# Altium PCB 202101904XB(公开).PcbDoc (part 4 of 6) (continued)
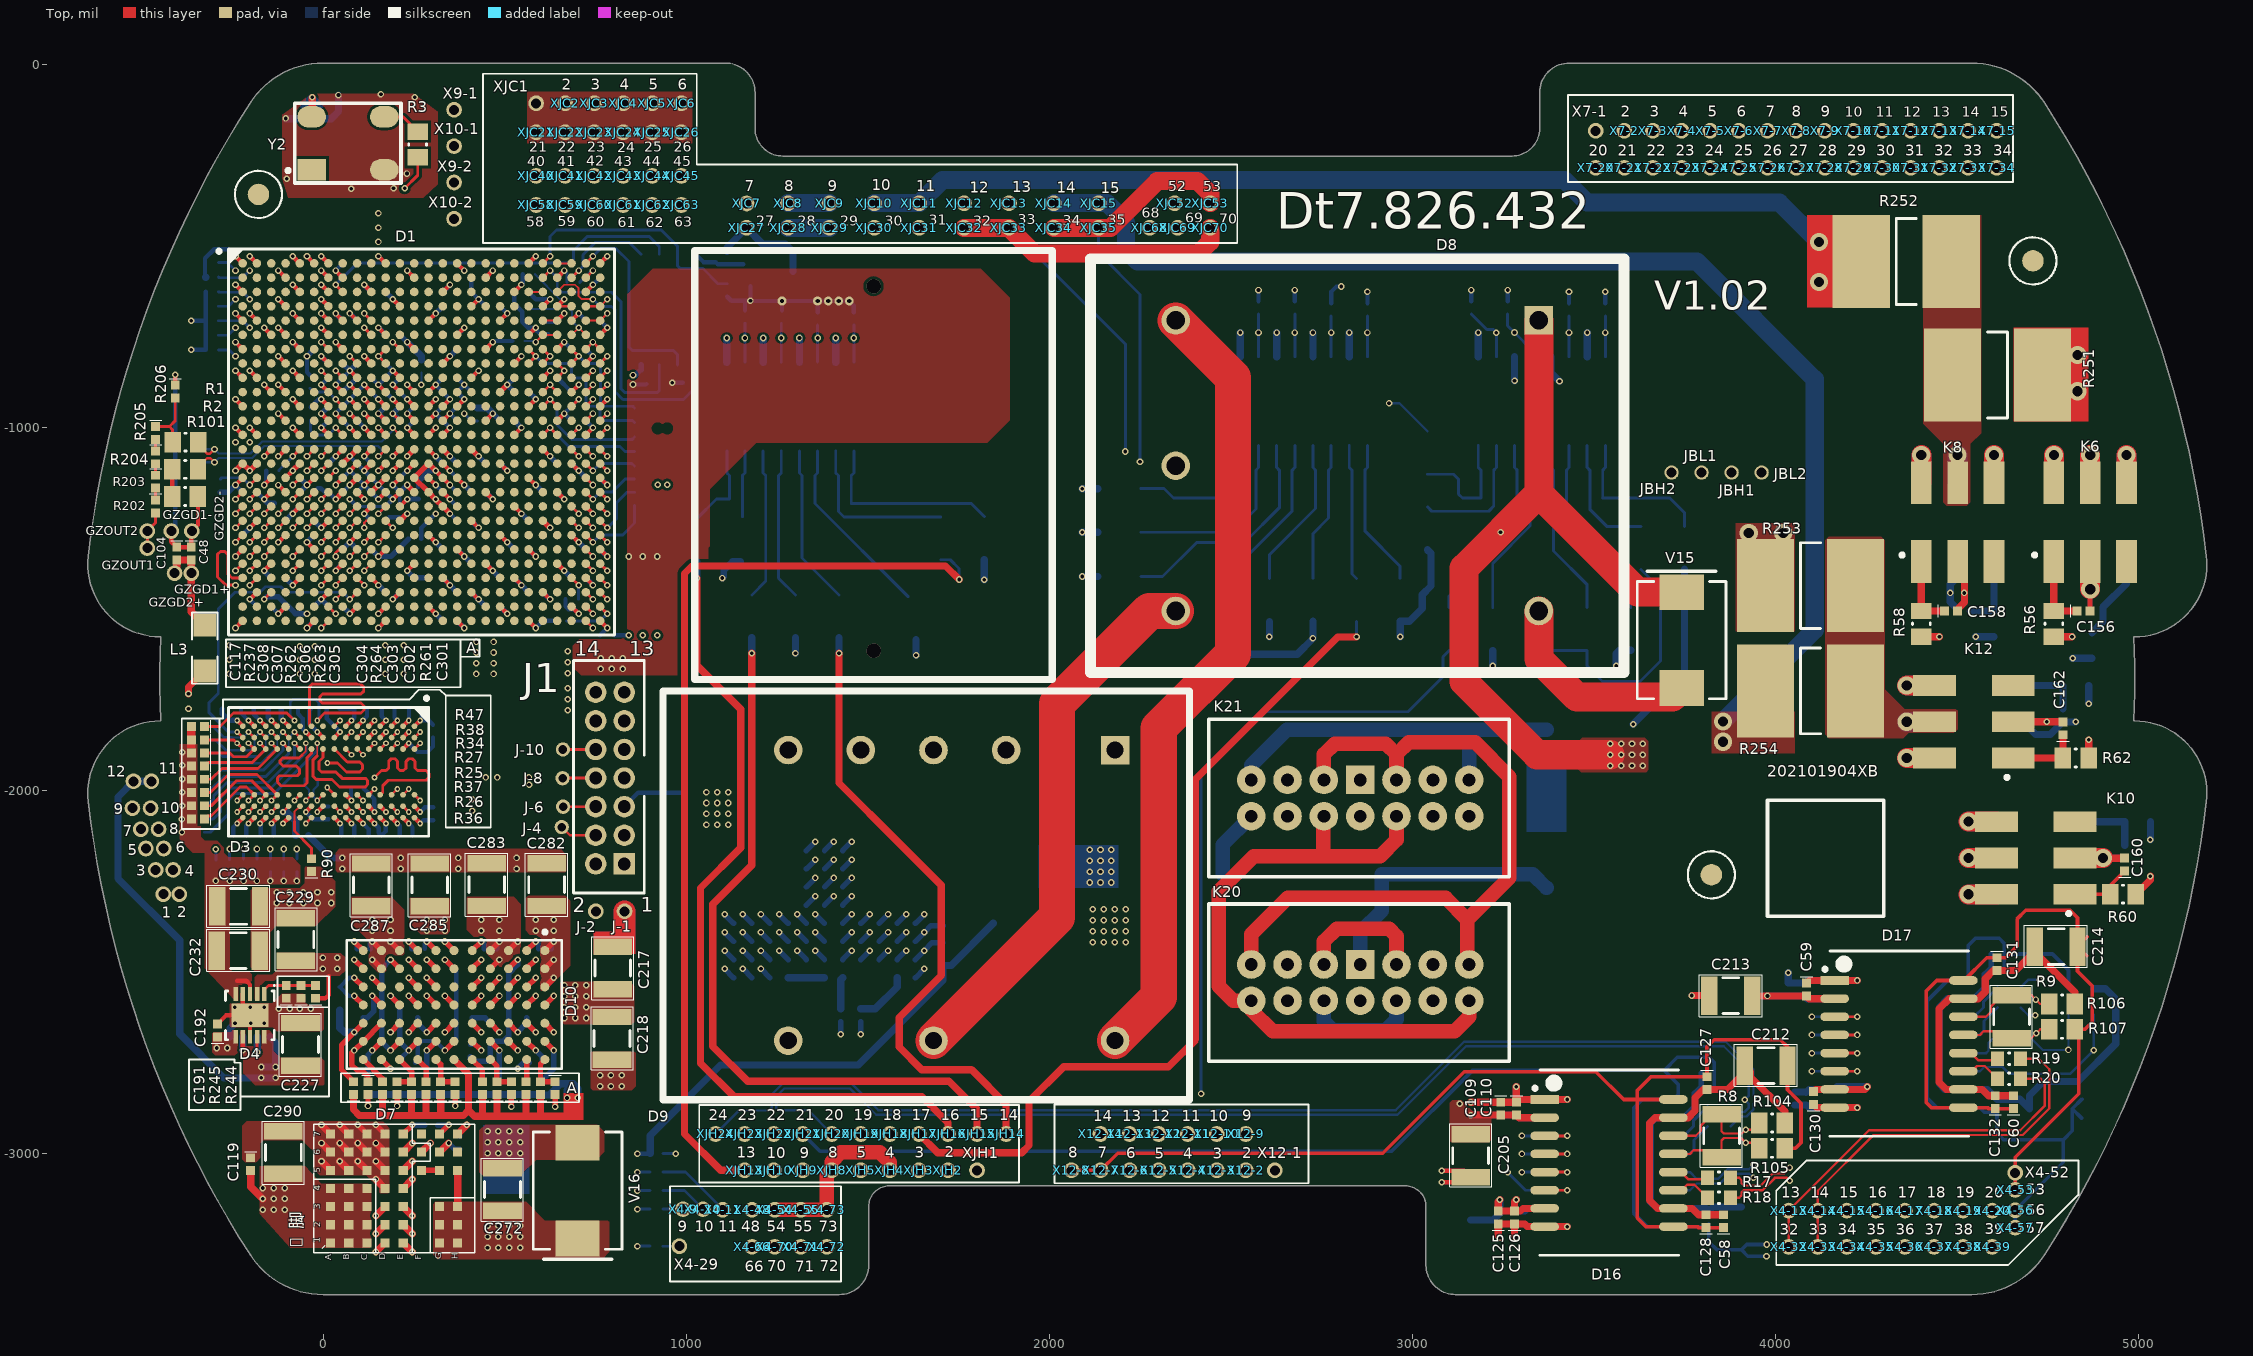
[diagram p0: Top view]
## Nets (pads, with @x,y where several pads share a name; then routed paths per layer and width w, separated by ;. In a path a pad name is that pad's centre, name@x,y a point inside that pad or via, vN(x,y) a via of type N, cw(c..) or ccw(c..) an arc to the next point about the centre after c; other vN are vias at no path point) (continued)
  Top w20: v1(-4.42,-3021.14) D7.11@20.58,-3046.14 ; v1(-4.42,-2971.14) D7.11@20.58,-2996.14 ; v1(-4.42,-2921.14) D7.11@20.58,-2946.14 ; v1(45.58,-3021.14) D7.11@70.58,-3046.14 ; v1(45.58,-2971.14) D7.11@70.58,-2996.14 ; v1(45.58,-2921.14) D7.11@70.58,-2946.14 ; v1(95.58,-3021.14) D7.11@120.58,-3046.14 ; v1(95.58,-2971.14) D7.11@120.58,-2996.14 ; v1(145.58,-3271.14) D7.11@170.58,-3246.14 ; v1(145.58,-3221.14) D7.11@170.58,-3196.14 ; v1(145.58,-3171.14) D7.11@170.58,-3146.14 ; v1(145.58,-3071.14) D7.11@170.58,-3096.14 ; v1(145.58,-3021.14) D7.11@170.58,-3046.14 ; v1(145.58,-2971.14) D7.11@170.58,-2996.14 ; D7.11@220.58,-3246.14 v1(245.58,-3271.14) ; D7.11@220.58,-3196.14 v1(245.58,-3221.14) ; D7.11@220.58,-3146.14 v1(245.58,-3171.14) ; D7.11@220.58,-3096.14 v1(245.58,-3071.14) ; D7.11@220.58,-3046.14 v1(245.58,-3021.14) ; D7.11@220.58,-2996.14 v1(245.58,-2971.14) ; D7.11@270.58,-2996.14 v1(295.58,-2971.14) ; D7.6@320.58,-2996.14 v1(345.58,-2971.14) ; v1(3160.33,-2858.7) C109.1@3242.58,-2858.7 3242.86,-2858.42 C110.1@3285.59,-2858.42 ; v1(3240.59,-3231.11) 3235.59,-3226.11 C125.1@3235.59,-3193.86 C126.1@3280.59,-3193.86 ; v1(3285.59,-3231.11) 3280.59,-3226.11 C126.1@3280.59,-3193.86 ; v1(3285.59,-2815.94) C110.1@3285.59,-2858.42 ; v1(3425.87,-3201.14) 3315.8,-3201.14 3308.51,-3193.85 C126.1@3280.59,-3193.86 ; v1(3425.87,-2851.14) 3292.87,-2851.14 C110.1@3285.59,-2858.42 ; v1(3769,-2565) C213.1@3816.94,-2565 ; C59.1@4084.16,-2530.73 4091.44,-2523.45 v1(4224.44,-2523.45) ; C130.1@4104,-2864.72 4112.73,-2873.45 D17.8@4162,-2873.45 v1@4224.43,-2873.45 ; v3(4900.58,-2186.14) 4901.02,-2186.57 C160.2@4960.58,-2186.57
  Top w55: K10.2@4823.85,-2186.14 v3(4900.58,-2186.14) ; v3(4865.58,-1446.14) K6.2@4865.58,-1369.41
  Top w60: 830,-2397.67 J-1.1@830,-2333
  Bottom w8: C82.1@93.42,-1218.31 C15.2@172.17,-1218.3 ; v1(664.28,-568.7) 671.18,-575.6 R225.2@671.17,-601.17
  Bottom w12: R209.2@-325.02,-586.95 R218.2@-325.02,-546.96 -325.02,-535.02 -300,-510 -260.56,-510 v1(-241.22,-529.33) ; C182.1@-246.94,-2124.14 -246.95,-2101.19 v2(-236.61,-2090.85) ; v1(-241.22,-1159.24) C174.1@-221.53,-1178.93 ; C2.2@-190.7,-1776.14 -190.7,-1790.34 v2(-173.62,-1807.41) ; v2(-173.62,-2090.85) -171.52,-2092.95 C183.1@-171.52,-2124.14 ; v1(-162.48,-1159.24) -156.97,-1153.73 R201.1@-156.97,-1119.96 ; C175.1@-142.8,-1493.89 v1(-123.11,-1513.57) ; C186.1@-33.84,-1776.14 -38.1,-1780.4 -38.1,-1816.94 v2(-16.14,-1838.9) ; v2(-16.14,-2059.36) -1.15,-2044.37 C65.1@15.05,-2044.37 ; R54.1@-14.41,-1168.06 -6.3,-1168.06 5.64,-1180 15.75,-1180 v1(34.37,-1198.61) ; v1(-5,-1001.77) C73.1@14.68,-982.08 v1(-5,-962.4) ; v1(-5,-883.66) C75.1@14.68,-863.97 ; C185.1@45.6,-1776.14 C184.1@85.61,-1776.14 85.6,-1800.14 v2(78.33,-1807.41) ; C83.1@54.05,-1178.94 v1(73.74,-1159.24) ; v1(73.74,-1198.61) C82.1@93.42,-1218.31 ; v1(73.74,-1080.5) C23.2@93.43,-1100.19 v1(113.11,-1119.87) C24.2@132.79,-1139.56 v1(152.48,-1159.24) ; v1(73.74,-962.4) v1(113.11,-1001.77) ; v2(78.33,-2090.85) 85.34,-2097.86 C66.1@85.34,-2124.14 ; v2(109.83,-2090.85) 125.34,-2106.36 C5.2@125.34,-2124.14 ; C67.1@112.33,-1995.67 141.32,-2024.66 v2(141.32,-2059.36) ; v1(113.11,-923.03) C74.1@132.8,-942.71 ; C103.2@132.79,-863.98 v1(152.48,-883.66) ; C189.1@161.05,-1776.14 161.04,-1795.63 v2(172.82,-1807.41) ; C16.2@172.17,-1257.67 181.41,-1248.42 220.78,-1248.42 v1(231.21,-1237.99) ; C15.2@172.17,-1218.3 v1(191.85,-1198.61) C14.2@172.17,-1178.93 ; C14.2@172.17,-1178.93 v1(152.48,-1159.24) ; C6.2@172.17,-1139.56 v1(152.48,-1159.24) ; C77.1@172.16,-863.97 v1(152.48,-883.66) ; C39.2@172.17,-824.6 v1(191.85,-844.29) C77.1@172.16,-863.97 ; v1(191.85,-923.03) v1(152.48,-883.66) ; v1(231.22,-962.4) C78.1@250.9,-942.71 ; v2(235.81,-2090.85) 246.2,-2101.24 C4.2@246.2,-2124.14 ; v2(235.81,-1870.4) 259.83,-1894.42 287.33,-1894.42 302.61,-1879.14 C68.1@302.61,-1854.51 ; v2(235.81,-1807.41) 236.47,-1806.75 C188.1@236.48,-1776.14 ; v2(267.31,-2090.85) 276.31,-2081.85 C187.1@303.58,-2081.86 ; v1(309.95,-1119.87) C8.2@329.66,-1139.56 ; C8.2@329.66,-1139.56 v1(349.32,-1159.24) C9.2@369.02,-1178.93 ; v1(349.32,-1237.98) C28.2@369.02,-1257.67 ; C70.1@369.02,-982.08 v1(349.32,-962.4) v1(388.69,-923.03) 369.01,-903.35 v1(388.7,-883.66) ; C72.1@369.02,-863.97 v1(388.7,-883.66) ; C92.1@408.38,-903.35 v1(388.7,-883.66) ; C38.2@408.38,-588.38 408.38,-627.76 v1(428.06,-647.44) C43.2@447.75,-667.12 ; v1(467.43,-765.55) 470.15,-762.83 R210.2@521.05,-762.83 ; R221.2@550.05,-578.9 550.05,-604.19 v1(546.17,-608.07) 526.49,-627.75 526.49,-660.34 548.05,-681.9 548.05,-710.13 564.1,-726.18 v1(585.54,-726.18) 585.54,-731.7 597.54,-743.7 R224.2@619.68,-743.7 ; v1(585.54,-1552.94) 605.06,-1533.42 R215.2@634.9,-1533.42 ; C36.2@605.23,-863.97 v1(624.91,-844.29) ; R217.1@667.62,-1473.74 667.61,-1493.42 675.61,-1501.42 691.5,-1501.42 v1(703.65,-1513.57) ; C35.2@683.97,-982.08 v1(664.28,-962.4) C86.1@683.97,-942.72 ; v1(703.65,-686.81) C29.2@723.34,-706.49 ; C32.2@723.35,-785.23 v1(743.02,-804.92) ; C31.2@762.71,-549.01 v1(782.39,-529.33) ; C97.1@802.08,-1572.63 840.67,-1572.63 v1(841.13,-1573.09) ; J1.5@829.32,-2044.88 868.06,-2006.14 C118.1@982.87,-2006.14 ; v1(3080.33,-3079.42) 3144.86,-3079.42 C211.1@3159.61,-3064.67 3142.36,-3047.42 v1(3080.33,-3047.42) ; D14.1@3363.42,-3201.14 v1(3425.87,-3201.14)
  Bottom w15: R200.1@-283.13,-1178.66 -260.64,-1178.66 v1(-241.22,-1159.24) ; R208.1@-278.21,-1776.14 -278.21,-1788.88 -259.68,-1807.41 v2(-236.61,-1807.41) ; C177.1@-221.54,-1297.05 v1(-201.85,-1277.35) ; v1(-162.48,-1395.46) C176.1@-142.79,-1415.15 ; C3.2@-115.27,-1776.14 -115.27,-1802.78 v2(-110.63,-1807.41) ; C173.1@-103.43,-1257.68 v1(-83.74,-1237.98) C88.1@-64.06,-1218.31 ; v1(-83.74,-1119.87) C87.1@-64.06,-1100.2 ; v1(-83.74,-765.55) C85.1@-64.06,-785.23 ; v1(-44.37,-1316.73) C172.1@-24.69,-1297.05 ; C17.2@-24.69,-1493.89 v1(-5,-1474.2) C18.2@14.68,-1493.89 ; v1(-5,-962.4) C76.1@14.68,-942.71 ; v1(-5,-804.92) C71.1@14.68,-824.6 ; v1(34.37,-686.81) C40.2@54.05,-706.49 ; C21.2@54.05,-1336.41 v1(73.74,-1316.72) C20.2@93.42,-1336.41 ; C22.2@54.05,-1100.2 v1(73.74,-1080.5) ; C79.1@54.05,-903.35 v1(73.74,-883.66) C80.1@93.42,-863.98 ; v1(85.58,-2416.14) 94.15,-2424.71 C170.1@94.16,-2436.14 ; C167.1@110.58,-2626.57 121.07,-2626.57 139.64,-2608 139.64,-2570.21 v1(135.58,-2566.14) ; v1(113.11,-608.07) C41.2@132.79,-627.75 ; v1(152.47,-1434.83) C19.2@172.16,-1454.52 ; v1(152.48,-726.18) C44.2@172.16,-745.86 ; v1(231.22,-1395.46) 250.91,-1415.15 C27.2@290.27,-1415.15 ; v1(235.58,-2416.14) 244.15,-2424.71 C168.1@244.16,-2436.14 ; v1(245.58,-2921.14) 246.11,-2921.67 R265.2@280.19,-2921.67 ; C120.1@260.58,-2626.57 260.58,-2641.14 v1(285.58,-2666.14) ; R53.1@262.64,-1162.28 262.64,-1149 291.77,-1119.87 v1(309.95,-1119.87) ; v1(309.95,-1513.57) C25.2@329.65,-1533.27 ; v1(309.95,-1198.61) C7.2@329.65,-1218.3 v1(349.32,-1237.98) ; v1(309.95,-686.81) C45.2@329.64,-667.13 ; v1(345.58,-2971.14) 362.01,-2987.57 R266.2@376.58,-2987.57 ; v1(349.32,-1080.5) C10.2@369.01,-1100.19 ; v1(349.32,-804.92) C91.1@369.01,-785.24 ; C84.1@369.02,-1336.41 v1(388.69,-1356.09) C180.1@408.38,-1375.78 ; C26.2@408.38,-1454.52 v1(428.06,-1474.2) C178.1@447.75,-1493.89 ; C122.1@410.58,-2626.57 446.01,-2626.57 v1(485.58,-2666.14) ; v1(428.06,-1080.5) C101.1@447.75,-1100.19 ; v1(435.58,-2416.14) 443.15,-2423.71 C123.1@443.16,-2436.14 ; C98.1@447.76,-1178.93 v1(467.43,-1198.61) ; v1(506.8,-1316.72) C95.1@526.49,-1336.41 ; C179.1@526.49,-1415.15 v1(546.17,-1434.83) C33.2@565.87,-1454.52 ; C89.1@526.5,-982.08 v1(546.17,-1001.77) ; C90.1@526.48,-903.34 v1(506.8,-883.66) C37.2@526.49,-863.98 ; v1(535.58,-2666.14) 560.58,-2641.14 C169.1@560.58,-2626.57 ; v1(585.54,-1159.24) C93.1@605.23,-1178.93 ; v1(585.58,-2416.14) 593.15,-2423.71 C121.1@593.16,-2436.14 ; C94.1@605.24,-1257.67 v1(624.91,-1277.35) ; v1(664.28,-1395.46) C96.1@683.97,-1415.15 ; C99.1@683.98,-1100.19 v1(703.65,-1119.87) C100.1@723.34,-1139.56 ; C34.2@762.71,-1336.41 v1(782.39,-1356.09) ; v1(853.33,-856.42) 860.58,-856.42 875.58,-841.42 D2.4@875.58,-828.51 ; v1(1105.58,-2491.14) D6.11@1130.58,-2516.14 ; v1(1105.58,-2441.14) D6.11@1130.58,-2466.14 ; v1(1105.58,-2391.14) D6.11@1130.58,-2416.14 ; v1(1105.58,-2341.14) D6.11@1130.58,-2366.14 ; v1(1155.58,-2491.14) D6.11@1180.58,-2516.14 ; v1(1155.58,-2441.14) D6.11@1180.58,-2466.14 ; v1(1155.58,-2391.14) D6.11@1180.58,-2416.14 ; v1(1155.58,-2341.14) D6.11@1180.58,-2366.14 ; v1(1205.58,-2491.14) D6.11@1230.58,-2516.14 ; v1(1205.58,-2441.14) D6.11@1230.58,-2466.14 ; v1(1205.58,-2391.14) D6.11@1230.58,-2416.14 ; v1(1205.58,-2341.14) D6.11@1230.58,-2366.14 ; v1(1255.58,-2441.14) D6.11@1280.58,-2466.14 ; v1(1255.58,-2391.14) D6.11@1280.58,-2416.14 ; v1(1255.58,-2341.14) D6.11@1280.58,-2366.14 ; v1(1305.58,-2441.14) D6.11@1330.58,-2466.14 ; v1(1305.58,-2391.14) D6.11@1330.58,-2416.14 ; v1(1305.58,-2341.14) D6.11@1330.58,-2366.14 ; D6.11@1330.58,-2316.14 v1(1355.58,-2291.14) ; D6.11@1330.58,-2266.14 v1(1355.58,-2241.14) ; D6.11@1330.58,-2216.14 v1(1355.58,-2191.14) ; D6.11@1330.58,-2166.14 v1(1355.58,-2141.14) ; v1(1355.58,-2441.14) D6.11@1380.58,-2466.14 ; v1(1355.58,-2391.14) D6.11@1380.58,-2416.14 ; v1(1355.58,-2341.14) D6.11@1380.58,-2366.14 ; D6.11@1380.58,-2316.14 v1(1405.58,-2291.14) ; D6.11@1380.58,-2266.14 v1(1405.58,-2241.14) ; D6.11@1380.58,-2216.14 v1(1405.58,-2191.14) ; D6.11@1380.58,-2166.14 v1(1405.58,-2141.14) ; v1(1425.58,-2671.14) R268.1@1425.58,-2636.57 ; D6.11@1430.58,-2466.14 v1(1455.58,-2441.14) ; D6.11@1430.58,-2416.14 v1(1455.58,-2391.14) ; D6.11@1430.58,-2366.14 v1(1455.58,-2341.14) ; D6.11@1430.58,-2316.14 v1(1455.58,-2291.14) ; D6.11@1430.58,-2266.14 v1(1455.58,-2241.14) ; D6.11@1430.58,-2216.14 v1(1455.58,-2191.14) ; D6.11@1430.58,-2166.14 v1(1455.58,-2141.14) ; v1(1480.58,-2671.14) R267.2@1480.58,-2636.57 ; D6.11@1480.58,-2466.14 v1(1505.58,-2441.14) ; D6.11@1480.58,-2416.14 v1(1505.58,-2391.14) ; D6.11@1480.58,-2366.14 v1(1505.58,-2341.14) ; D6.11@1530.58,-2466.14 v1(1555.58,-2441.14) ; D6.11@1530.58,-2416.14 v1(1555.58,-2391.14) ; D6.11@1530.58,-2366.14 v1(1555.58,-2341.14) ; D6.11@1580.58,-2466.14 v1(1605.58,-2441.14) ; D6.11@1580.58,-2416.14 v1(1605.58,-2391.14) ; D6.11@1580.58,-2366.14 v1(1605.58,-2341.14) ; D6.11@1630.58,-2516.14 v1(1655.58,-2491.14) ; D6.12@1630.58,-2466.14 v1(1655.58,-2441.14) 1677.22,-2419.5 C403.2@1706.64,-2419.5 ; D6.11@1630.58,-2366.14 v1(1655.58,-2341.14) ; C155.2@4865.16,-1496.14 4865.15,-1446.57 v3(4865.58,-1446.14)
  Bottom w20: C190.1@-256.46,-2678.74 -256.46,-2655.21 v1(-242.67,-2641.42) ; v1@-103,-150.57 22.33,-150.57 42.33,-130.57 v1(42.33,-85.42) ; C69.1@-40.19,-2124.14 21.8,-2186.14 v1(52.58,-2186.14) ; V11.9@1111.58,-821.02 v1(1111.58,-754.42) ; C171.1@1112.08,-516.27 1112.08,-505.06 XJC27.1@1166,-451.14 1210.86,-496 1273,-496 1294.11,-517.11 C221.1@1294.11,-571 ; V11.11@1211.58,-821.02 v1(1211.58,-754.42) ; V11.13@1311.58,-821.02 v1(1311.58,-754.42) ; V11.15@1411.58,-821.02 v1(1411.58,-754.42) ; V12.9@2525.58,-806.02 v1(2525.58,-739.42) ; V12.11@2625.58,-806.02 v1(2625.58,-739.42) ; V12.13@2725.58,-806.02 v1(2725.58,-739.42) ; V12.15@2825.58,-806.02 v1(2825.58,-739.42) ; V13.9@3180.58,-806.02 v1(3180.58,-739.42) ; C53.1@3280.59,-3193.85 3280.59,-3226.11 v1(3285.59,-3231.11) ; v1(3280.58,-872.62) V13.11@3280.58,-806.02 ; v1(3285.59,-2815.94) C57.1@3285.59,-2858.42 3292.88,-2851.14 D14.8@3363.42,-2851.14 v1(3425.87,-2851.14) ; V13.13@3380.58,-806.02 3380.58,-849.67 v1(3404.33,-873.42) ; V13.15@3480.58,-806.02 v1(3480.58,-739.42) ; v1(3769,-2565) C207.1@3815.89,-2565 ; C113.1@4034.16,-2530.73 C114.1@4079.16,-2530.73 4086.44,-2523.45 v1(4224.44,-2523.45) ; C113.1@4034.16,-2530.73 v1@4034.16,-2502.16 ; C129.1@4052,-2866.17 C55.1@4084.16,-2866.17 4091.45,-2873.45 v1(4224.44,-2873.45) ; v3@4900.59,-2186.14 4960.15,-2186.14 C159.2@4960.58,-2186.57
  Bottom w40: R6.2@2476.53,-2231.14 2476.53,-2150.19 K21.31@2555.58,-2071.14 ; K21.21@2555.58,-1971.14 2555.58,-1931.14 2653.7,-1833.02 R5.2@3368.58,-1833.02 ; K21.11@3155.58,-1971.14 3155.58,-1833.02
  Bottom w55: K9.2@4823.85,-2186.14 v3(4900.58,-2186.14) ; v3(4865.58,-1446.14) K5.2@4865.58,-1369.41
  Bottom w60: 830,-2397.67 J-1.1@830,-2333
  other v1: 452.75,-2998.88 482.75,-2998.88 512.75,-2998.88 542.75,-2998.88 452.75,-2968.88 482.75,-2968.88 512.75,-2968.88 542.75,-2968.88 452.75,-2938.88 482.75,-2938.88 512.75,-2938.88 542.75,-2938.88 762.58,-2814.74 792.58,-2814.74 822.58,-2814.74 762.58,-2784.74 792.58,-2784.74 822.58,-2784.74 -161.67,-2641.42 -121.95,-2601.17 -91.95,-2601.17 -63.95,-2601.17 -33.95,-2601.17 -243.42,-2597.14 -200.42,-2597.14 -162.42,-2597.14 4034,-2502 -127.42,-2310.14 -93.42,-2310.14 -54.42,-2310.14 -15.42,-2310.14 22.58,-2310.14 -127.42,-2280.14 -93.42,-2280.14 -54.42,-2280.14 -15.42,-2280.14 22.58,-2280.14 52.58,-2216.14 213.58,-2216.14 372.58,-2216.14 532.58,-2216.14 213.58,-2186.14 372.58,-2186.14 532.58,-2186.14 410.31,-2055.94 410.3,-2024.43 673.65,-1779.17 673.65,-1749.17 673.65,-1719.17 -258.09,-1679.49 -23.15,-1679.49 221.79,-1679.49 673.65,-1677.17 673.65,-1647.17 -258.09,-1640.12 -23.15,-1640.12 221.79,-1640.12 673.65,-1617.17 -23.15,-1603.75 -258.09,-1600.75 221.79,-1600.75 880.5,-1573.09 919.87,-1573.09 921.33,-1158.42 947.33,-1158.42 77.33,-343.42 193.93,-342.58 -100,-316 230.83,-301.67 -103,-150 252.33,-91.42 159.33,-83.42
GND-CL: C60.1 C131.1 C132.1 C214.1 D17.9 D17.16 R107.2 X4-52.1 X4-53.1 | length 2067.3
  Top w10: C60.1@4654.16,-2876.17 4585.59,-2876.16 4582.88,-2873.45 4428.36,-2873.45 4414.21,-2859.3 4414.21,-2552.54 4443.3,-2523.45 4518.3,-2523.45 4581.02,-2460.73 4633.02,-2460.73 4664.33,-2429.42 4664.33,-2354.42 4688.33,-2330.42 4810.69,-2330.42 4830.69,-2350.42 C214.1@4830.7,-2430.14 ; X4-53.1@4659,-3100.14 X4-52.1@4659,-3053 4659,-3010 4834,-2835 4834,-2668.42 4823.63,-2658.05 4851.33,-2658.05 4871.33,-2638.05 4871.33,-2538.42 4830.69,-2497.78 C214.1@4830.7,-2430.14 ; 4855.91,-2455.36 C214.1@4830.7,-2430.14 ; 4857.47,-2403.36 C214.1@4830.7,-2430.14
GND-KZ: C54.1 C111.1 C112.1 C206.1 D14.9 D14.16 XJH21.1 | length 3744.7
  Bottom w10: XJH21.1@1320.58,-2946.14 1368.44,-2994 2941.75,-2994 3164.67,-2771.08 3692.49,-2771.08 ; C112.1@3830.58,-2816.14 3830.58,-2749.11 3816.43,-2734.96 3728.61,-2734.96 3692.49,-2771.08 ; v1(3974.33,-3282.42) 3922.81,-3282.42 C206.1@3905.58,-3265.2 ; v1(3975.33,-3250.42) 3920.35,-3250.42 C206.1@3905.58,-3265.2 ; 3692.49,-2771.08 3730.87,-2809.46 3730.87,-2838.02 D14.9@3717.75,-2851.14 3632.61,-2851.14 3608.33,-2875.42 3608.33,-3163.42 3646.05,-3201.14 3808.29,-3201.14 C111.1@3815.58,-3193.86 3815.58,-3242.67 3838.1,-3265.19 C206.1@3905.58,-3265.2
GND-TF: C56.1 C115.1 C116.1 C208.1 D15.9 D15.16 R103.2 X4-56.1 X4-57.1 | length 1840.6
  Bottom w10: C56.1@4629.15,-2488.45 C116.1@4629.15,-2450.7 ; X4-57.1@4659,-3204 X4-56.1@4659,-3156 4791.33,-3023.67 4791.33,-2962.42 ; R103.2@4805.75,-2546.13 4805.75,-2494.84 4761.61,-2450.7 C116.1@4629.15,-2450.7 ; 4841.7,-2902.01 C208.1@4816.48,-2876.79 ; 4843.26,-2850.01 C208.1@4816.48,-2876.79 ; C116.1@4629.15,-2450.7 4629.15,-2421.42 4615,-2407.27 4549.87,-2407.27 4529.44,-2427.7 4529.44,-2510.33 4516.32,-2523.45 4472.68,-2523.45 4417.36,-2578.77 4417.36,-2847.42 4443.39,-2873.45 4561.36,-2873.45 4574.07,-2886.16 C115.1@4609.16,-2886.17 4609.16,-2944.25 4627.33,-2962.42 4791.33,-2962.42 ; 4791.33,-2962.42 4816.48,-2937.27 C208.1@4816.48,-2876.79
GND-TY: C58.1 C127.1 C128.1 C212.1 D16.9 D16.16 R105.2 X12-7.1 X12-8.1 | length 3259.1
  Top w10: X12-8.1@2060.58,-3046.14 X12-7.1@2140.58,-3046.14 2187.72,-2999 2917.75,-2999 3142.33,-2774.42 3504.33,-2774.42 3581.05,-2851.14 3618.16,-2851.14 ; D16.16@3717.75,-2851.14 3618.16,-2851.14 ; C58.1@3855.59,-3203.86 3787.02,-3203.85 3784.31,-3201.14 3642.05,-3201.14 3618.16,-3177.25 3618.16,-2851.14 ; R105.2@4025.07,-2985.74 4054.01,-2985.74 4069.33,-2970.42 4069.33,-2861.42 4032.12,-2824.21 4032.12,-2706.43 4012.11,-2686.42 3830.33,-2686.42 3810.59,-2706.16 C127.1@3810.59,-2788.42 3656.33,-2788.42 3618.16,-2826.59 3618.16,-2851.14
GZ422-DE: D1.R25 R213.1 | length 153.3
  Top w8: D1.R25@723.34,-1100.2 v1(743.02,-1119.87)
  Bottom w8: v1(743.02,-1119.87) 762.47,-1100.42 850.8,-1100.42 R213.1@857.62,-1107.23
GZ422-R\E\: D1.P26 | length 27.8
  Top w8: D1.P26@762.71,-1060.83 v1(782.39,-1080.5)
GZ422-RXD: D1.P25 | length 27.8
  Top w8: D1.P25@723.34,-1060.83 v1(743.02,-1080.5)
GZ422-TXD: D1.R26 | length 27.8
  Top w8: D1.R26@762.71,-1100.2 v1(782.39,-1119.87)
GZMN+: R185.1 XJC7.1 | length 2167.7
  sig_05 w6: XJC7.1@1166,-384 1229,-447 1229,-503 1302,-576 1990,-576 2348,-934 v1(2935,-934)
  Bottom w6: v1(2935,-934) 2963.59,-934 R185.1@3041.04,-1011.45
GZMN-F: D1.M25 R157.1 V13.10 | length 2779.9
  Top w8: D1.M25@723.34,-982.08 v1(743.02,-962.4)
  sig_03 w6: v1(743.02,-962.4) 762.04,-981.42 2988.83,-981.42 v1(3230.58,-739.67)
  Bottom w8: R157.1@3161.58,-688.74 3204.26,-731.42 3222.33,-731.42 v1(3230.58,-739.67) V13.10@3230.58,-806.02
GZOUT_N: C309.2 D1.P11 R2.2 | length 624
  Top w6.5: R2.2@-344.42,-1116.14 -343.55,-1116.14 -337.05,-1109.64 -337.05,-1102.79 -319.6,-1085.34 -310.4,-1085.34 v1(-299.01,-1096.73) ; v1(152.48,-1080.5) D1.P11@172.16,-1060.83
  Bottom w6.5: C309.2@-323.02,-1096.73 v1(-299.01,-1096.73) -287.17,-1084.89 -195.14,-1084.89 -162.17,-1051.92 151.33,-1051.92 161.33,-1061.92 161.33,-1071.65 v1(152.48,-1080.5)
GZOUT_P: C309.1 D1.N12 R1.2 | length 647.4
  Top w6.5: R1.2@-343.54,-1041.14 -337.05,-1047.64 -337.05,-1055.05 -319.26,-1072.84 -311.3,-1072.84 v1(-299.01,-1060.55) ; v1(191.85,-1001.77) D1.N12@211.53,-1021.45
  Bottom w6.5: C309.1@-322.27,-1060.55 v1(-299.01,-1060.55) -287.17,-1072.39 -200.32,-1072.39 -167.35,-1039.42 161.33,-1039.42 191.85,-1008.9 v1(191.85,-1001.77)
HC1+: R251.1 XJC8.1 XJC9.1 | length 3877.5
  sig_05 w50: XJC9.1@1394.4,-383.14 1459.54,-318 3335,-318 3818.14,-801.14 v3(4830.58,-801.14) v3(4830.58,-901.14)
  Bottom w50: XJC8.1@1280.2,-383.14 XJC9.1@1394.4,-383.14
HC1-: R139.1 X9-1.1 XJC28.1 XJC29.1 | length 5363.7
  sig_08 w50: X9-1.1@360.58,-126.14 308.24,-126.14 287.32,-147.07 287.32,-469.99 325.79,-508.46 470.19,-508.46 504.64,-474 884,-474 926,-516 1215.34,-516 XJC28.1@1280.2,-451.14
  sig_05 w6: X9-1.1@360.58,-126.14 277.6,-209.13 277.6,-491.19 374.83,-588.42 860.42,-588.42 987,-715 987,-2282 857.92,-2411.08 857.92,-2896.99 802.36,-2952.55 802.36,-3089.87 v1(865.58,-3153.08)
  Bottom w8: v1(865.58,-3153.08) R139.1@900.59,-3153.08
  Bottom w50: XJC28.1@1280.2,-451.14 XJC29.1@1394.4,-451.14
HC2+: R252.1 XJC10.1 XJC11.1 | length 2808.1
  Bottom w50: XJC10.1@1517.93,-383.14 XJC11.1@1641.46,-383.14 1705.6,-319 3418,-319 3480,-381 4009.43,-381 v3(4118.58,-490.14) v3(4118.58,-600.14)
HC2-: R140.1 X10-1.1 XJC30.1 XJC31.1 | length 5317
  sig_03 w50: X10-1.1@360.58,-226.14 333.54,-226.14 287.89,-271.79 287.89,-479.21 324.17,-515.49 460.6,-515.49 495.91,-480.19 834.83,-480.19 886.64,-532 1437.07,-532 XJC30.1@1517.93,-451.14 XJC31.1@1641.46,-451.14
  sig_05 w6: X10-1.1@360.58,-226.14 304.2,-282.52 304.2,-463.04 389.54,-548.38 852.38,-548.38 1003,-699 1003,-2292 885.58,-2409.42 885.58,-2912.26 831.82,-2966.02 831.82,-3068.35 v1(865.58,-3102.11)
  Bottom w8: v1(865.58,-3102.11) R140.1@900.59,-3102.11
HC3+: R253.1 XJC12.1 XJC13.1 | length 2687.9
  sig_05 w50: XJC12.1@1764.99,-383.14 XJC13.1@1888.52,-383.14 1927.14,-383.14 1950,-406 1950,-502 1972,-524 2865,-524 3632.14,-1291.14 v3(3925.58,-1291.14) v3(4020.58,-1291.14)
HC3-: R142.1 XJC32.1 XJC33.1 XJC70.1 | length 4386
  Top w50: XJC32.1@1764.99,-451.14 XJC33.1@1888.52,-451.14 1959.38,-522 2411,-522 2442.58,-490.42 XJC70.1@2442.58,-451.14
  sig_05 w6: v1(865.58,-3051.14) 912.08,-3004.64 912.08,-2418.92 1333.58,-1997.42 1850,-1997.42 2187.33,-1660.09 2187.33,-1088.67 v1(2209,-1067)
  Bottom w8: v1(865.58,-3051.14) R142.1@900.59,-3051.14 ; XJC33.1@1888.52,-451.14 2209,-771.62 v1(2209,-1067)
HC4+: R254.1 XJC14.1 XJC15.1 | length 3387.3
  Bottom w50: XJC14.1@2012.05,-383.14 XJC15.1@2135.58,-383.14 2158.14,-383.14 2211,-436 2211,-513 2242,-544 3783,-544 4107,-868 4107,-1558 v3(3855,-1810)
  other v3: 3855,-1866
HC4-: R141.1 XJC34.1 XJC35.1 XJC53.1 | length 4297.7
  Top w50: XJC34.1@2012.05,-451.14 XJC35.1@2135.58,-451.14 2167.86,-451.14 2297,-322 2408,-322 2442.58,-356.58 XJC53.1@2442.58,-383.14
  sig_05 w6: v1(865.58,-3255.01) 865.58,-3207.42 943,-3130 943,-2450.69 1323.17,-2070.53 1858.54,-2070.53 2249.33,-1679.74 v1(2249.33,-1095)
  Bottom w8: v1(865.58,-3255.01) R141.1@900.59,-3255.01 ; XJC35.1@2135.58,-451.14 2135.58,-520.58 2249.33,-634.33 v1(2249.33,-1095)
IO-SW1: 5.1 6.1 D1.G12 D1.J8 | length 2483.2
  Top w8: v1(34.37,-844.29) D1.J8@54.05,-863.97 ; v1(191.85,-765.55) D1.G12@211.53,-785.23
  sig_03 w6: v1(34.37,-844.29) 54.24,-824.42 162.33,-824.42 171.33,-815.42 171.33,-786.07 v1(191.85,-765.55)
  sig_05 w6: 5.1@-488,-2160 6.1@-439,-2160 -405,-2160 -366.57,-2121.57 -366.57,-1814.52 -390.67,-1790.42 -390.67,-1480.33 -518,-1353 -518,-1251 -287,-1020 -287,-664 -249.42,-626.42 -193.67,-626.42 -73.67,-746.42 4.33,-746.42 15.33,-757.42 15.33,-825.25 v1(34.37,-844.29)
IO-SW2: 7.1 8.1 D1.G11 D1.H11 R218.1 | length 2454.7
  Top w8: D1.H11@172.16,-824.6 v1(152.48,-804.92) D1.G11@172.16,-785.23
  sig_05 w6: 7.1@-502,-2107 8.1@-453,-2107 -407.67,-2061.67 -407.67,-1484.33 -531,-1361 -531,-1237 -301,-1007 -301,-614 -255.7,-568.7 v1(-241.22,-568.7) -211.5,-598.42 -198.67,-598.42 -90.67,-706.42 7.33,-706.42 15.33,-714.42 15.33,-736.42 23.33,-744.42 46.33,-744.42 55.33,-753.42 55.33,-817.42 62.33,-824.42 119.33,-824.42 138.83,-804.92 v1(152.48,-804.92)
  Bottom w8: R218.1@-287.52,-546.96 -262.96,-546.96 v1(-241.22,-568.7)
IO-SWD: 9.1 10.1 D1.F10 D1.H9 R209.1 | length 2451.7
  Top w8: v1(73.74,-804.92) D1.H9@93.42,-824.6 ; v1(113.11,-726.18) D1.F10@132.79,-745.86
  sig_05 w6: 9.1@-525,-2049 10.1@-475,-2049 -423.67,-1997.67 -423.67,-1489.33 -546,-1367 -546,-1224 -325,-1003 -325,-599 -276,-550 -220.56,-550 v1(-201.85,-568.7) -154.13,-616.42 -108.67,-616.42 -58.67,-666.42 6.33,-666.42 15.33,-675.42 15.33,-695.42 27.33,-707.42 94.35,-707.42 v1(113.11,-726.18) 113.11,-738.64 93.33,-758.42 93.33,-785.33 v1(73.74,-804.92)
  Bottom w8: R209.1@-287.51,-586.96 -286.05,-588.42 -221.57,-588.42 v1(-201.85,-568.7)
JB-H1: D1.F22 D1.F23 JBH1.1 R210.1 | length 3618.9
  Top w6: v1(585.54,-765.55) D1.F22@605.23,-745.86 D1.F23@644.6,-745.86
  sig_08 w6: v1(585.54,-765.55) 623.45,-765.55 680,-709 729,-709 771,-667 926,-667 1253,-994 3747.33,-994 JBH1.1@3878.33,-1125
  Bottom w6: R210.1@554.42,-762.83 v1@582.81,-762.83
JB-H2: D1.F24 D1.F25 JBH2.1 R211.1 | length 3418.4
  Top w6: D1.F24@683.97,-745.86 v1(703.65,-726.18) D1.F25@723.34,-745.86
  sig_08 w6: v1(703.65,-726.18) 742.82,-726.18 762,-707 920,-707 1246,-1033 3621,-1033 JBH2.1@3713,-1125
  Bottom w6: R211.1@574.42,-674.9 632.1,-674.9 639,-668 673,-668 685,-680 685,-707.54 v1(703.65,-726.18)
JB-L1: D1.E25 D1.E26 JBL1.1 | length 3262
  Top w6: D1.E25@723.34,-706.49 D1.E26@762.71,-706.49 v1(782.39,-686.81)
  sig_08 w6: v1(782.39,-686.81) 921.81,-686.81 1248,-1013 3683.67,-1013 JBL1.1@3795.67,-1125
JB-L2: D1.D25 D1.D26 JBL2.1 | length 3443.6
  Top w6: D1.D25@723.34,-667.12 D1.D26@762.71,-667.12 v1(782.39,-647.44)
  sig_08 w6: v1(782.39,-647.44) 935.44,-647.44 1261,-973 3809,-973 JBL2.1@3961,-1125
JS1: K7.5 K8.5 K20.10 K20.20 R251.2 R252.2 | length 3013.1
  Top w40: K20.10@2755.58,-2479.37 2755.58,-2416.14 2790.58,-2381.14 2935.58,-2381.14 2955.58,-2401.14 K20.20@2955.58,-2479.37
  sig_05 w20: K20.20@2955.58,-2479.37 2955.58,-2411.49 2994.64,-2372.42 3444.58,-2372.42 4322,-1495 4322,-1019.75 4376.33,-965.42 4451.33,-965.42 4500.58,-1014.67 v3(4500.58,-1076.14)
  Bottom w55: K7.5@4500.58,-1152.87 v3(4500.58,-1076.14)